# Altium PCB Pleiades_PP.PcbDoc (part 13 of 15) (continued)
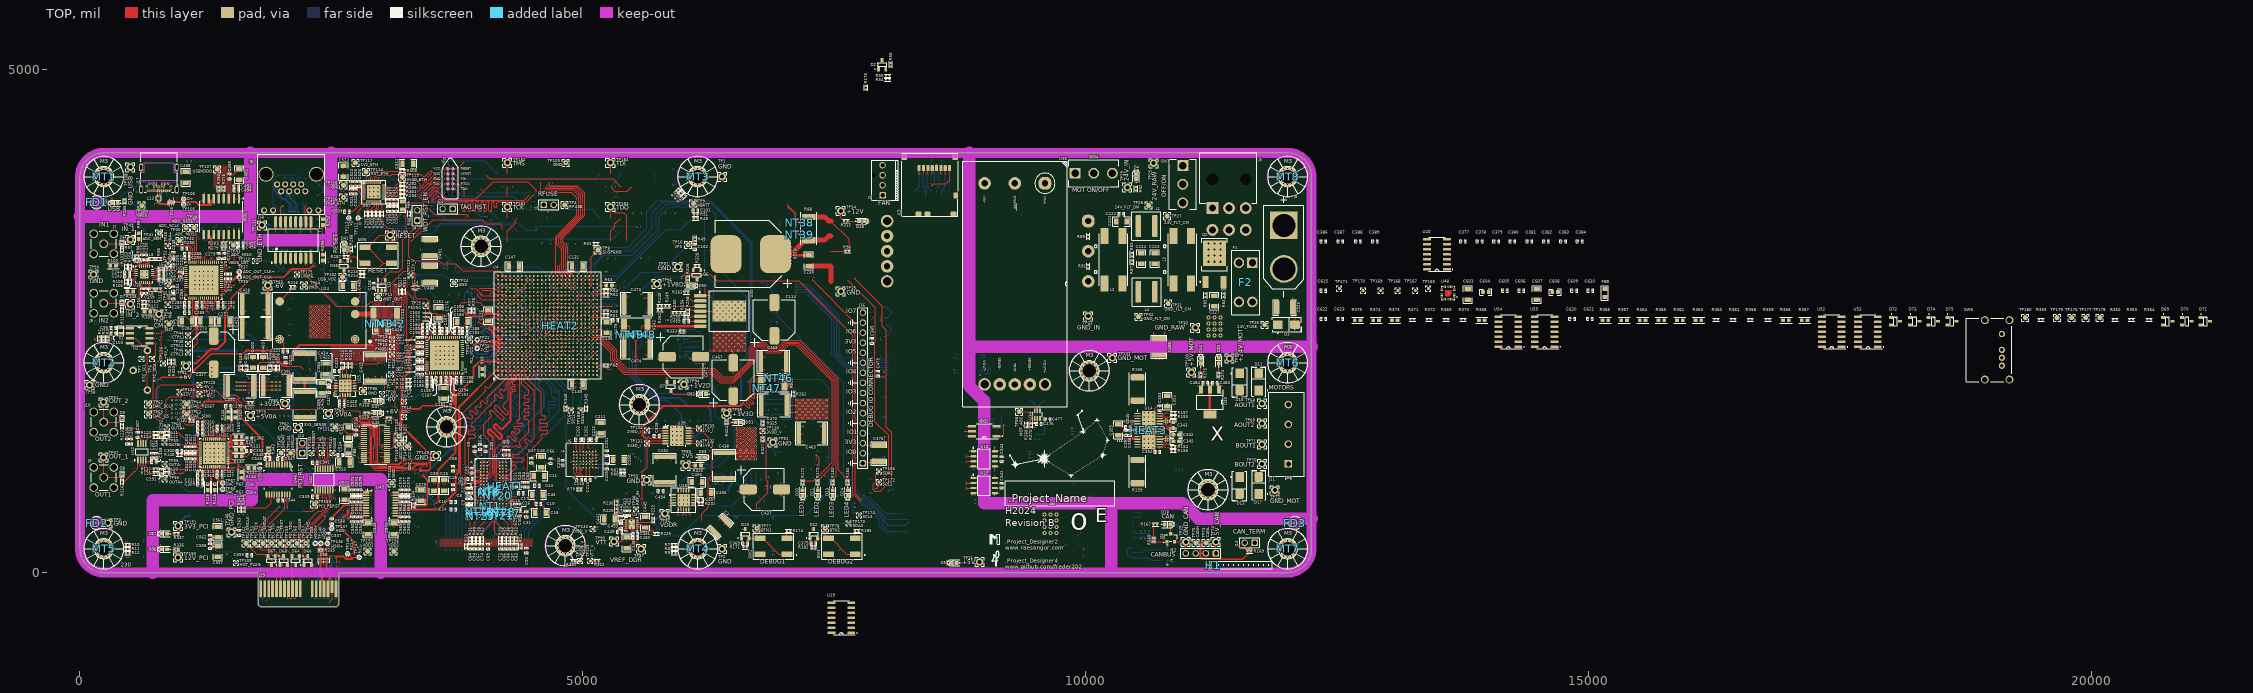
[diagram p0: TOP view]
## Nets (pads, with @x,y where several pads share a name; then routed paths per layer and width w, separated by ;. In a path a pad name is that pad's centre, name@x,y a point inside that pad or via, vN(x,y) a via of type N, cw(c..) or ccw(c..) an arc to the next point about the centre after c; other vN are vias at no path point) (continued)
PROM_D2: U4.AF17 U6.E5 | length 2898.2
  TOP w5.95: U6.E5@5035,1169.49 v1(5050.75,1185.24)
  TOP w8.89: U4.AF17@5141.73,2594.49 v1(5161.42,2614.17)
  IN2 w3.68: v1(5050.75,1185.24) 5050.75,1283.41 5080.91,1313.58 5080.91,1465 5080.91,1475.91 5155,1550 5155,1930 5145,1940 5145,2035 5161.42,2051.42 5161.42,2159.7 5161.42,2161.54 ccw(c5153.58,2161.54) 5153.58,2169.38 5140.72,2169.38 cw(c5140.72,2177.22) 5140.72,2185.06 5157.74,2185.06 ccw(c5157.74,2192.9) 5157.74,2200.73 5140.72,2200.73 cw(c5140.72,2208.57) 5140.72,2216.41 5157.74,2216.41 ccw(c5157.74,2224.25) 5157.74,2232.09 5108.03,2232.09 cw(c5108.03,2239.93) 5108.03,2247.76 5157.74,2247.76 ccw(c5157.74,2255.6) 5157.74,2263.44 5107.35,2263.44 cw(c5107.35,2271.28) 5107.35,2279.12 5157.74,2279.12 ccw(c5157.74,2286.96) 5157.74,2294.79 5140.72,2294.79 cw(c5140.72,2302.63) 5140.72,2310.47 5157.74,2310.47 ccw(c5157.74,2318.31) 5157.74,2326.15 5074.1,2326.15 cw(c5074.1,2333.99) 5074.1,2341.82 5157.74,2341.82 ccw(c5157.74,2349.66) 5157.74,2357.5 5140.44,2357.5 cw(c5140.44,2365.34) 5140.44,2373.18 5157.74,2373.18 ccw(c5157.74,2381.02) 5157.74,2388.85 5074.1,2388.85 cw(c5074.1,2396.69) 5074.1,2404.53 5157.74,2404.53 ccw(c5157.74,2412.37) 5157.74,2420.21 5140.72,2420.21 cw(c5140.72,2428.04) 5140.72,2435.88 5157.74,2435.88 ccw(c5157.74,2443.72) 5157.74,2451.56 5140.72,2451.56 cw(c5140.72,2459.4) 5140.72,2467.24 5157.74,2467.24 ccw(c5157.74,2475.07) 5157.74,2482.91 5140.72,2482.91 cw(c5140.72,2490.75) 5140.72,2498.59 5157.74,2498.59 ccw(c5157.74,2506.43) 5157.74,2514.27 5074.1,2514.27 cw(c5074.1,2522.1) 5074.1,2529.94 5157.74,2529.94 ccw(c5157.74,2537.78) 5157.74,2545.62 5074.1,2545.62 cw(c5074.1,2553.46) 5074.1,2561.3 5157.74,2561.3 ccw(c5157.74,2569.13) 5157.74,2576.97 5150.42,2576.97 cw(c5150.42,2584.81) 5150.42,2592.65 5153.58,2592.65 ccw(c5153.58,2600.49) 5161.42,2600.49 5161.42,2611.72 v1(5161.42,2614.17)
PROM_D3: U4.AD10 U6.D5 | length 2899.4
  TOP w5.95: U6.D5@5003.5,1169.49 v1(5019.25,1153.74)
  TOP w8.89: v1(5043.31,2299.21) U4.AD10@5062.99,2318.9
  IN2 w3.68: v1(5019.25,1153.74) 4995.57,1130.06 4899.94,1130.06 4855,1175 4855,1625 4868.47,1638.47 4870,1640 4870,1671.67 ccw(c4862.16,1671.67) 4862.16,1679.5 4845.65,1679.5 cw(c4845.65,1687.34) 4845.65,1695.18 4867.16,1695.18 ccw(c4867.16,1703.02) 4867.16,1710.86 4845.65,1710.86 cw(c4845.65,1718.69) 4845.65,1726.53 4867.16,1726.53 ccw(c4867.16,1734.37) 4867.16,1742.21 4845.65,1742.21 cw(c4845.65,1750.05) 4845.65,1757.89 4867.16,1757.89 ccw(c4867.16,1765.72) 4867.16,1773.56 4845.65,1773.56 cw(c4845.65,1781.4) 4845.65,1789.24 4862.16,1789.24 ccw(c4862.16,1797.08) 4870,1797.08 4870,1806.41 4878.73,1815.14 4893.51,1829.92 4897.65,1834.06 ccw(c4892.11,1839.6) 4892.11,1847.44 4863.94,1847.44 cw(c4863.94,1855.28) 4863.94,1863.11 4912.84,1863.11 ccw(c4912.84,1870.95) 4912.84,1878.79 4863.94,1878.79 cw(c4863.94,1886.63) 4863.94,1894.47 4934.76,1894.47 ccw(c4934.76,1902.31) 4934.76,1910.14 4863.94,1910.14 cw(c4863.94,1917.98) 4863.94,1925.82 4934.76,1925.82 ccw(c4934.76,1933.66) 4934.76,1941.5 4863.94,1941.5 cw(c4863.94,1949.34) 4863.94,1957.17 4934.76,1957.17 ccw(c4934.76,1965.01) 4934.76,1972.85 4904.5,1972.85 cw(c4904.5,1980.69) 4904.5,1988.53 4906.52,1988.53 ccw(c4906.52,1996.37) 4906.52,2004.2 4865.13,2004.2 cw(c4865.13,2012.04) 4865.13,2019.88 4934.76,2019.88 ccw(c4934.76,2027.72) 4934.76,2035.56 4863.94,2035.56 cw(c4863.94,2043.4) 4863.94,2051.23 4934.76,2051.23 ccw(c4934.76,2059.07) 4934.76,2066.91 4904.5,2066.91 cw(c4904.5,2074.75) 4904.5,2082.59 4934.76,2082.59 ccw(c4934.76,2090.43) 4934.76,2098.26 4905.84,2098.26 cw(c4905.84,2106.1) 4905.84,2113.94 4917.84,2113.94 ccw(c4917.84,2121.78) 4917.84,2129.62 cw(c4917.84,2137.46) 4910,2137.46 4910,2160 4910,2165.91 4911.53,2167.44 4912.83,2168.74 ccw(c4907.29,2174.28) 4912.83,2179.82 4895.64,2197.02 cw(c4901.18,2202.57) 4895.64,2208.11 cw(c4901.18,2202.57) 4906.72,2208.11 4937.1,2177.73 ccw(c4942.64,2183.27) 4948.19,2177.73 ccw(c4942.64,2183.27) 4948.19,2188.81 4934.07,2202.93 cw(c4939.61,2208.47) 4934.07,2214.02 cw(c4939.61,2208.47) 4945.15,2214.02 4961.69,2197.48 ccw(c4967.23,2203.03) 4972.77,2197.48 ccw(c4967.23,2203.03) 4972.77,2208.57 4956.31,2225.03 cw(c4961.85,2230.57) 4956.31,2236.11 cw(c4961.85,2230.57) 4967.4,2236.11 4968.26,2235.25 ccw(c4973.8,2240.79) 4979.34,2235.25 5029.55,2285.45 v1(5043.31,2299.21)
PROM_D4: U4.AF10 U6.C5 | length 2898.2
  TOP w5.95: U6.C5@4972.01,1169.49 v1(4987.76,1153.74)
  TOP w8.89: v1(5122.05,2299.21) U4.AF10@5141.73,2318.9
  IN2 w3.68: v1(4987.76,1153.74) 4970.92,1136.9 4913.1,1136.9 4887.44,1162.56 4875.75,1174.25 4875.75,1176.16 cw(c4883.59,1176.16) 4883.59,1184 4896.75,1184 ccw(c4896.75,1191.83) 4896.75,1199.67 4883.59,1199.67 cw(c4883.59,1207.51) 4875.75,1207.51 4875.75,1379.06 4902.34,1405.65 4902.34,1411.31 ccw(c4894.5,1411.31) 4894.5,1419.15 4870.18,1419.15 cw(c4870.18,1426.98) 4870.18,1434.82 4894.5,1434.82 ccw(c4894.5,1442.66) 4894.5,1450.5 4870.18,1450.5 cw(c4870.18,1458.34) 4870.18,1466.18 4905.06,1466.18 ccw(c4905.06,1474.01) 4905.06,1481.85 4870.18,1481.85 cw(c4870.18,1489.69) 4870.18,1497.53 4934.5,1497.53 ccw(c4934.5,1505.37) 4934.5,1513.21 4893.68,1513.21 cw(c4893.68,1521.04) 4893.68,1528.88 4934.5,1528.88 ccw(c4934.5,1536.72) 4934.5,1544.56 4893.68,1544.56 cw(c4893.68,1552.4) 4893.68,1560.24 4934.5,1560.24 ccw(c4934.5,1568.07) 4934.5,1575.91 4870.18,1575.91 cw(c4870.18,1583.75) 4870.18,1591.59 4925.09,1591.59 ccw(c4925.09,1599.43) 4925.09,1607.26 4870.22,1607.26 cw(c4870.22,1615.1) 4870.22,1622.94 4934.5,1622.94 ccw(c4934.5,1630.78) 4934.5,1638.62 4903.68,1638.62 cw(c4903.68,1646.46) 4903.68,1654.29 4925.09,1654.29 ccw(c4925.09,1662.13) 4925.09,1669.97 4884.52,1669.97 cw(c4884.52,1677.81) 4884.52,1685.65 4925.09,1685.65 ccw(c4925.09,1693.49) 4925.09,1701.32 4889.52,1701.32 cw(c4889.52,1709.16) 4889.52,1717 4925.09,1717 ccw(c4925.09,1724.84) 4925.09,1732.68 4889.52,1732.68 cw(c4889.52,1740.52) 4889.52,1748.35 4922.09,1748.35 ccw(c4922.09,1756.19) 4922.09,1764.03 4894.5,1764.03 cw(c4894.5,1771.87) 4894.5,1779.71 ccw(c4894.5,1787.55) 4902.34,1787.55 4902.34,1804.52 4917.82,1820 4976.09,1878.27 4976.09,1885.02 4976.09,1886.86 ccw(c4968.26,1886.86) 4968.26,1894.7 4959.51,1894.7 cw(c4959.51,1902.53) 4959.51,1910.37 4972.12,1910.37 ccw(c4972.12,1918.21) 4972.12,1926.05 4959.51,1926.05 cw(c4959.51,1933.89) 4959.51,1941.72 4984.81,1941.72 ccw(c4984.81,1949.56) 4984.81,1957.4 4959.51,1957.4 cw(c4959.51,1965.24) 4959.51,1973.08 4985.26,1973.08 ccw(c4985.26,1980.92) 4985.26,1988.75 4983.23,1988.75 cw(c4983.23,1996.59) 4983.23,2004.43 5000.49,2004.43 ccw(c5000.49,2012.27) 5000.49,2020.11 4959.51,2020.11 cw(c4959.51,2027.95) 4959.51,2035.78 4989.6,2035.78 ccw(c4989.6,2043.62) 4989.6,2051.46 4983.93,2051.46 cw(c4983.93,2059.3) 4976.09,2059.3 4976.09,2177.07 4984.27,2185.25 5098.23,2299.21 v1(5122.05,2299.21)
PROM_D5: U4.AE7 U6.B5 | length 2899.4
  TOP w5.95: v1(4924.76,1153.74) U6.B5@4940.51,1169.49
  TOP w8.89: v1(5082.68,2181.1) U4.AE7@5102.36,2200.79
  IN2 w3.68: v1(4924.76,1153.74) 4911.26,1167.24 4911.26,1198.27 4925.85,1212.87 4925.85,1430.85 5086.29,1591.29 5093.52,1598.52 5093.52,1600.97 ccw(c5085.68,1600.97) 5085.68,1608.8 5044.86,1608.8 cw(c5044.86,1616.64) 5044.86,1624.48 5099.51,1624.48 ccw(c5099.51,1632.32) 5099.51,1640.16 5076.18,1640.16 cw(c5076.18,1648) 5076.18,1655.83 5099.51,1655.83 ccw(c5099.51,1663.67) 5099.51,1671.51 5044.86,1671.51 cw(c5044.86,1679.35) 5044.86,1687.19 5099.51,1687.19 ccw(c5099.51,1695.03) 5099.51,1702.86 5044.86,1702.86 cw(c5044.86,1710.7) 5044.86,1718.54 5099.51,1718.54 ccw(c5099.51,1726.38) 5099.51,1734.22 5044.86,1734.22 cw(c5044.86,1742.06) 5044.86,1749.89 5099.51,1749.89 ccw(c5099.51,1757.73) 5099.51,1765.57 5044.86,1765.57 cw(c5044.86,1773.41) 5044.86,1781.25 5099.51,1781.25 ccw(c5099.51,1789.09) 5099.51,1796.92 5044.86,1796.92 cw(c5044.86,1804.76) 5044.86,1812.6 5099.51,1812.6 ccw(c5099.51,1820.44) 5099.51,1828.28 5044.86,1828.28 cw(c5044.86,1836.12) 5044.86,1843.95 5099.51,1843.95 ccw(c5099.51,1851.79) 5099.51,1859.63 5044.86,1859.63 cw(c5044.86,1867.47) 5044.86,1875.31 5099.51,1875.31 ccw(c5099.51,1883.15) 5099.51,1890.98 5044.86,1890.98 cw(c5044.86,1898.82) 5044.86,1906.66 5099.51,1906.66 ccw(c5099.51,1914.5) 5099.51,1922.34 5044.86,1922.34 cw(c5044.86,1930.17) 5044.86,1938.01 5099.51,1938.01 ccw(c5099.51,1945.85) 5099.51,1953.69 5044.86,1953.69 cw(c5044.86,1961.53) 5044.86,1969.37 5099.51,1969.37 ccw(c5099.51,1977.2) 5099.51,1985.04 5044.86,1985.04 cw(c5044.86,1992.88) 5044.86,2000.72 5099.51,2000.72 ccw(c5099.51,2008.56) 5099.51,2016.4 5061.98,2016.4 cw(c5061.98,2024.23) 5061.98,2032.07 5099.51,2032.07 ccw(c5099.51,2039.91) 5099.51,2047.75 5068.34,2047.75 cw(c5068.34,2055.59) 5068.34,2063.43 5085.68,2063.43 ccw(c5085.68,2071.26) 5093.52,2071.26 5093.52,2153.75 5082.68,2164.59 5082.68,2168.68 v1(5082.68,2181.1)
PROM_D6: U4.AF7 U6.A5 | length 2898.2
  TOP w5.95: U6.A5@4909.02,1169.49 v1(4924.76,1185.24)
  TOP w8.89: v1(5122.05,2181.1) U4.AF7@5141.73,2200.79
  IN2 w3.68: v1(4924.76,1185.24) 4933.28,1193.75 4943.05,1193.75 4955,1205.7 4955,1362.42 4955,1370.57 cw(c4967.98,1367.33) 4967.06,1380.68 ccw(c4972.6,1386.22) 4978.14,1380.68 ccw(c4972.6,1386.22) 4978.14,1391.77 4942.72,1427.19 cw(c4948.26,1432.73) 4942.72,1438.27 cw(c4948.26,1432.73) 4953.8,1438.28 4989.23,1402.85 ccw(c4994.77,1408.39) 5000.31,1402.85 ccw(c4994.77,1408.39) 5000.31,1413.94 4964.89,1449.36 cw(c4970.43,1454.9) 4964.89,1460.45 cw(c4970.43,1454.9) 4975.97,1460.45 5011.4,1425.02 ccw(c5016.94,1430.56) 5022.48,1425.02 ccw(c5016.94,1430.56) 5022.48,1436.11 4987.06,1471.53 cw(c4992.6,1477.07) 4987.06,1482.62 cw(c4992.6,1477.07) 4998.14,1482.62 5033.57,1447.19 ccw(c5039.11,1452.73) 5044.65,1447.19 ccw(c5039.11,1452.73) 5044.65,1458.28 5009.23,1493.7 cw(c5014.77,1499.24) 5009.23,1504.79 cw(c5014.77,1499.24) 5020.31,1504.79 5055.74,1469.36 ccw(c5061.28,1474.9) 5066.82,1469.36 ccw(c5061.28,1474.9) 5066.82,1480.45 5031.4,1515.87 cw(c5036.94,1521.41) 5031.4,1526.96 cw(c5036.94,1521.41) 5042.48,1526.96 5076.96,1492.48 ccw(c5082.5,1498.02) 5088.04,1492.48 ccw(c5082.5,1498.02) 5088.04,1503.57 5053.57,1538.04 cw(c5059.11,1543.58) 5053.57,1549.13 cw(c5059.11,1543.58) 5064.65,1549.13 5098.01,1515.77 ccw(c5103.55,1521.31) 5109.09,1515.77 ccw(c5103.55,1521.31) 5109.09,1526.85 5077.97,1557.97 cw(c5083.52,1563.52) 5077.97,1569.06 cw(c5083.52,1563.52) 5089.06,1569.06 5094.6,1563.52 ccw(c5100.14,1569.06) 5105.69,1563.52 ccw(c5100.14,1569.06) 5105.69,1574.6 cw(c5111.23,1580.14) 5105.69,1585.69 5120.83,1600.83 5122.05,1602.05 5122.05,1618.34 cw(c5129.89,1618.34) 5129.89,1626.18 5140.49,1626.18 ccw(c5140.49,1634.02) 5140.49,1641.86 5121.2,1641.86 cw(c5121.2,1649.69) 5121.2,1657.53 5140.49,1657.53 ccw(c5140.49,1665.37) 5140.49,1673.21 5121.2,1673.21 cw(c5121.2,1681.05) 5121.2,1688.89 5140.49,1688.89 ccw(c5140.49,1696.72) 5140.49,1704.56 5121.2,1704.56 cw(c5121.2,1712.4) 5121.2,1720.24 5140.49,1720.24 ccw(c5140.49,1728.08) 5140.49,1735.92 5121.2,1735.92 cw(c5121.2,1743.75) 5121.2,1751.59 5140.49,1751.59 ccw(c5140.49,1759.43) 5140.49,1767.27 5121.2,1767.27 cw(c5121.2,1775.11) 5121.2,1782.95 5140.49,1782.95 ccw(c5140.49,1790.78) 5140.49,1798.62 5121.2,1798.62 cw(c5121.2,1806.46) 5121.2,1814.3 5140.49,1814.3 ccw(c5140.49,1822.14) 5140.49,1829.97 5121.2,1829.97 cw(c5121.2,1837.81) 5121.2,1845.65 5140.49,1845.65 ccw(c5140.49,1853.49) 5140.49,1861.33 5121.2,1861.33 cw(c5121.2,1869.17) 5121.2,1877 5140.49,1877 ccw(c5140.49,1884.84) 5140.49,1892.68 5121.2,1892.68 cw(c5121.2,1900.52) 5121.2,1908.36 5140.49,1908.36 ccw(c5140.49,1916.2) 5140.49,1924.03 5121.2,1924.03 cw(c5121.2,1931.87) 5121.2,1939.71 5130.49,1939.71 ccw(c5130.49,1947.55) 5130.49,1955.39 5121.2,1955.39 cw(c5121.2,1963.23) 5121.2,1971.06 5130.49,1971.06 ccw(c5130.49,1978.9) 5130.49,1986.74 5121.2,1986.74 cw(c5121.2,1994.58) 5121.2,2002.42 5130.49,2002.42 ccw(c5130.49,2010.26) 5130.49,2018.09 5121.2,2018.09 cw(c5121.2,2025.93) 5121.2,2033.77 5130.49,2033.77 ccw(c5130.49,2041.61) 5130.49,2049.45 5118.34,2049.45 cw(c5118.34,2057.29) 5118.34,2065.12 5146.9,2065.12 ccw(c5146.9,2072.96) 5146.9,2080.8 5108.03,2080.8 cw(c5108.03,2088.64) 5108.03,2096.48 5146.9,2096.48 ccw(c5146.9,2104.32) 5146.9,2112.15 5108.03,2112.15 cw(c5108.03,2119.99) 5108.03,2127.83 5146.9,2127.83 ccw(c5146.9,2135.67) 5146.9,2143.51 5108.03,2143.51 cw(c5108.03,2151.35) 5108.03,2159.18 5114.21,2159.18 ccw(c5114.21,2167.02) 5122.05,2167.02 v1(5122.05,2181.1)
PROM_D7: U4.AE9 U6.A6 | length 2898.2
  TOP w5.95: U6.A6@4909.02,1200.98 v1(4909.02,1223.26)
  TOP w8.89: v1(5082.68,2259.84) U4.AE9@5102.36,2279.53
  IN2 w3.68: v1(4909.02,1223.26) 4909.02,1234.6 4909.02,1236.44 ccw(c4901.18,1236.44) 4901.18,1244.27 4890.27,1244.27 cw(c4890.27,1252.11) 4890.27,1259.95 4911.34,1259.95 ccw(c4911.34,1267.79) 4911.34,1275.63 4890.27,1275.63 cw(c4890.27,1283.47) 4890.27,1291.3 4911.34,1291.3 ccw(c4911.34,1299.14) 4911.34,1306.98 4890.27,1306.98 cw(c4890.27,1314.82) 4890.27,1322.66 4911.34,1322.66 ccw(c4911.34,1330.5) 4911.34,1338.33 4890.27,1338.33 cw(c4890.27,1346.17) 4890.27,1354.01 4911.34,1354.01 ccw(c4911.34,1361.85) 4911.34,1369.69 4899.34,1369.69 cw(c4899.34,1377.53) 4899.34,1385.36 4901.18,1385.36 ccw(c4901.18,1393.2) 4909.02,1393.2 4909.02,1411.23 4909.02,1444.02 4965.84,1500.84 4965.84,1571.17 4973.27,1578.6 4977.41,1582.74 ccw(c4971.87,1588.28) 4971.87,1596.12 4947.44,1596.12 cw(c4947.44,1603.96) 4947.44,1611.79 5022.51,1611.79 ccw(c5022.51,1619.63) 5022.51,1627.47 4998.68,1627.47 cw(c4998.68,1635.31) 4998.68,1643.15 5038.82,1643.15 ccw(c5038.82,1650.99) 5038.82,1658.82 4947.44,1658.82 cw(c4947.44,1666.66) 4947.44,1674.5 5022.51,1674.5 ccw(c5022.51,1682.34) 5022.51,1690.18 4947.44,1690.18 cw(c4947.44,1698.01) 4947.44,1705.85 5022.51,1705.85 ccw(c5022.51,1713.69) 5022.51,1721.53 4947.44,1721.53 cw(c4947.44,1729.37) 4947.44,1737.21 5022.51,1737.21 ccw(c5022.51,1745.04) 5022.51,1752.88 4947.44,1752.88 cw(c4947.44,1760.72) 4947.44,1768.56 5022.51,1768.56 ccw(c5022.51,1776.4) 5022.51,1784.24 4947.44,1784.24 cw(c4947.44,1792.07) 4947.44,1799.91 5022.51,1799.91 ccw(c5022.51,1807.75) 5022.51,1815.59 4947.44,1815.59 cw(c4947.44,1823.43) 4947.44,1831.27 5022.51,1831.27 ccw(c5022.51,1839.1) 5022.51,1846.94 4983.93,1846.94 cw(c4983.93,1854.78) 4983.93,1862.62 5022.51,1862.62 ccw(c5022.51,1870.46) 5022.51,1878.3 4990.61,1878.3 cw(c4990.61,1886.13) 4990.61,1893.97 5022.51,1893.97 ccw(c5022.51,1901.81) 5022.51,1909.65 4994.47,1909.65 cw(c4994.47,1917.49) 4994.47,1925.33 5015,1925.33 ccw(c5015,1933.16) 5015,1941 5007.16,1941 cw(c5007.16,1948.84) 5007.16,1956.68 ccw(c5007.16,1964.52) 5015,1964.52 5015,2045 5054.76,2084.76 5060,2090 5060,2237.17 v1(5082.68,2259.84)
PROM_TCK: R368.2 R373.2 R374.2 R375.2 TP181.1 U4.E21 U6.H3 | length 4243.8
  TOP w5.95: U6.H3@5129.49,1106.5 v1(5145.24,1122.24)
  TOP w8.89: U4.E21@4314.96,2751.97 v1(4334.65,2732.28)
  TOP w12: 4250,3525 TP181.1@4250,3635
  IN1 w5.95: v1(5145.24,1122.24) 5447.24,1122.24 v1(5500,1175)
  IN1 w8.89: v1(4334.65,2732.28) 4362.28,2732.28 4454.47,2824.47 5345.53,2824.47 v1(5360,2810)
  IN2 w8.89: 4250,3525 4315,3460 4315,2772.28 4334.65,2752.64 v1(4334.65,2732.28) ; v1(5360,2810) 5360,2752.5 5640.95,2471.55 5640.95,1315.95 v1(5500,1175)
PROM_TDO: TP183.1 U6.E6 U55.5 U55.9 U55.12 | length 3681.6
  TOP w5.95: v1(5019.25,1185.24) U6.E6@5035,1200.98
  TOP w8.89: TP183.1@5275,3635 5275,3626.74 5323.19,3578.56 5406.45,3578.56 5435,3550 v1(5435,3295)
  TOP w12: 5275,3525 TP183.1@5275,3626.74
  IN1 w5.95: v1(5019.25,1185.24) 5033.81,1185.24 5053.69,1205.12 5175.12,1205.12 5186.72,1216.72 5528.28,1216.72 5577.5,1167.5 v1(5577.5,1097.5)
  IN2 w8.89: v1(5435,3295) 5500,3230 5500,2890 5800,2590 5800,1320 v1(5577.5,1097.5)
PROM_TMS: R356.2 R362.2 R364.2 R366.2 TP182.1 U4.C23 U6.E2 | length 5081.2
  TOP w5.95: U6.E2@5035,1075 v1(5050.75,1090.75)
  TOP w8.89: U4.C23@4236.22,2830.71 v1(4255.91,2850.39)
  TOP w12: 4250,3965 TP182.1@4250,4075
  IN1 w5.95: v1(5050.75,1090.75) 5050.75,1116.17 5076.34,1141.76 5209.82,1141.76 5263.06,1195 5505,1195 5525,1175 v1(5525,1150)
  IN1 w8.89: v1(4255.91,2850.39) 4273.96,2868.45 5350.57,2868.45 5381.55,2868.45 v1(5410,2840)
  IN2 w8.89: 4250,3965 4180,3895 4125,3895 4073.45,3843.45 4073.45,3519.84 4055,3501.39 4055,3400 4236.55,3218.45 4236.55,2869.74 v1(4255.91,2850.39) ; v1(5410,2840) 5529.34,2720.66 5538.35,2720.66 5680,2579.01 5680,1305 v1(5525,1150)
RCA_13: C348.1 R164.1 U14.6 | length 116.6
  TOP w10: v1(10476,1440) 10476,1440.11 10489.28,1453.39 U14.6@10514.76,1453.39
  BOT w10: v1(10476,1440) 10476.38,1440.38 10482.88,1440.38 R164.1@10500,1457.5 C348.1@10541,1457.5
RCB_13: C347.1 R163.1 U14.9 | length 86.5
  TOP w10: v1(10481.74,1385.91) 10482.12,1385.53 10482.12,1384.15 10488.87,1377.41 U14.9@10501.09,1377.41
  BOT w10: v1(10481.74,1385.91) 10482.28,1385.91 10486.31,1381.88 10496.08,1381.88 10500.46,1377.5 R163.1@10501,1377.5 10501.09,1377.41 10540.91,1377.41 C347.1@10541,1377.32
RD_17_+: T1.6 U37.7 | length 1156.9
  TOP w10: T1.6@2195,3125.96 v1(2195,3207.8) ; v1(2799.04,3732.54) 2799.58,3732.54 2805.58,3738.54 2815.31,3738.54 2818.22,3735.63 U37.7@2825,3735.63
  IN2 w3.09: v1(2195,3207.8) 2229.29,3207.8 2240.45,3196.64 2240.45,3190.31 2249.86,3180.91 2560.91,3180.91 2657.14,3277.14 2657.14,3608.81 2785.4,3737.07 2790.48,3737.07 2795,3732.54 v1(2799.04,3732.54)
RD_17_-: T1.8 U37.6 | length 1142.8
  TOP w10: T1.8@2295,3125.96 v1(2295,3207.8) ; v1(2792.04,3755.5) 2792.58,3755.5 2794.54,3753.54 2816.45,3753.54 2818.22,3755.31 U37.6@2825,3755.31
  IN2 w3.09: v1(2295,3207.8) 2285.65,3198.45 2251.36,3198.45 2249.55,3196.64 2249.55,3194.08 2253.62,3190 2557.14,3190 2648.05,3280.91 2648.05,3612.58 2781.63,3746.16 2784.65,3746.16 2792.04,3753.56 v1(2792.04,3755.5)
RDCT_17: C506.1 T1.7 | length 146.2
  TOP w10: v1(2245,3044.13) T1.7@2245,3125.96
  BOT w10: v1(2245,3044.13) C506.1@2245,3108.46
REF_CLK_N: TP67.1 U4.R1 U11.7 | length 5112.2
  TOP w5.95: U11.7@1344.84,1053.19 1344.84,962.13 1416.98,890 v1(1420,890)
  TOP w8.89: U4.R1@4708.66,1964.57 v1(4728.35,1944.88)
  IN1 w3.09: v1(1420,890) 1381.23,851.23 1370.95,851.23 1368.97,849.24 1260.76,849.24 1241.76,868.24 1241.76,886.76 1272.14,917.14 1272.14,954.28 1308.41,990.55 1568.41,990.55 1629.68,1051.81 2524.59,1051.81 2530.82,1058.05 2874.07,1058.05 2885.36,1046.76 3326.84,1046.76 3640,1359.92 3640,1830 3735,1925 3735,1967.22 3817.78,2050 3922.86,2050 4107.7,2234.83 4451.98,2234.83 4453.36,2233.45 4463.45,2233.45 4479.07,2249.07 4479.07,2274.07 4484.57,2279.57 4580.43,2279.57 4624.07,2235.93 4624.07,2060.75 4642.02,2042.8 4645.35,2042.8 4660.15,2027.99 4660.15,2023.67 4689.02,1994.8 4693.35,1994.8 4704.66,1983.48 4704.66,1969.17 4720.2,1953.63 4726.53,1953.63 4728.35,1951.81 v1(4728.35,1944.88)
REF_CLK_P: TP66.1 U4.R2 U11.6 | length 5220.1
  TOP w5.95: U11.6@1325.16,1053.19 1325.16,962.25 1420,867.4 v1(1420,830)
  TOP w8.89: U4.R2@4708.66,2003.94 4727.75,1984.85 4727.75,1972.06 v1(4728.35,1971.46)
  IN1 w3.09: v1(1420,830) 1397.71,852.29 1395.15,852.29 1385,842.14 1374.72,842.14 1372.73,840.15 1254.85,840.15 1232.66,862.34 1232.66,890.52 1263.05,920.91 1263.05,958.05 1304.64,999.64 1564.64,999.64 1625.91,1060.91 2520.83,1060.91 2527.06,1067.14 2877.84,1067.14 2889.13,1055.85 3323.07,1055.85 3630.91,1363.68 3630.91,1833.77 3725.91,1928.77 3725.91,1970.99 3814.01,2059.09 3919.09,2059.09 4103.93,2243.93 4455.74,2243.93 4457.12,2242.55 4459.69,2242.55 4469.98,2252.84 4469.98,2277.84 4480.8,2288.67 4584.2,2288.67 4633.16,2239.7 4633.16,2064.52 4645.79,2051.89 4649.11,2051.89 4669.25,2031.76 4669.25,2027.43 4682.35,2014.33 4685.56,2011.12 4692.79,2003.89 4697.11,2003.89 4713.76,1987.25 4713.76,1972.93 4723.97,1962.72 4726.53,1962.72 4728.35,1964.53 v1(4728.35,1971.46)
REFCLK_N: U4.A4 U45.13 | length 2300.8
  TOP w4.33: v1(3545,675) 3546.47,676.47 3546.47,681.47 3570,705 3570,1025 3739.33,1194.33 3739.33,1676.45 3744.38,1681.51 3744.38,1759.38 3920,1935 3920,2041.81 3976.21,2098.02 4163.84,2098.02 4172.5,2089.36 4172.5,2085.78 4169.97,2083.24 4158.05,2083.24 U4.A4@4157.48,2082.68
  BOT w4.33: U45.13@3137.64,743.98 3159.88,743.98 3168.01,735.84 3223.11,735.84 3230.62,728.34 3313.82,728.34 3359.27,773.78 3455.16,773.78 3537.7,691.24 3537.7,681.37 3544.08,675 v1(3545,675)
REFCLK_P: U4.B4 U45.14 | length 2322.8
  TOP w4.33: v1(3521.08,677) 3522.55,678.47 3528.44,678.47 3539.13,689.16 3540.97,689.16 3560.67,708.86 3560.67,1028.86 3730,1198.19 3730,1680.31 3735.06,1685.37 3735.06,1763.25 3910.67,1938.86 3910.67,2045.67 3972.35,2107.35 4167.7,2107.35 4181.83,2093.22 4181.83,2085.78 4184.36,2083.24 4196.29,2083.24 U4.B4@4196.85,2082.68
  BOT w4.33: U45.14@3137.64,718.39 3159.88,718.39 3168.01,726.52 3219.25,726.52 3226.75,719.01 3317.69,719.01 3363.13,764.45 3451.3,764.45 3528.38,687.37 3528.38,683.38 3522.01,677 v1(3521.08,677)
RESET: TP38.1 U4.P10 U9.12 | length 4343.9
  TOP w6: TP38.1@1135,3430 1161.1,3403.9 U9.12@1161.1,3081.18
  TOP w8.89: U4.P10@4669.29,2318.9 v1(4688.98,2299.21)
  IN2 w5: v1(1160.85,3147.29) 1164.75,3143.39 1366.61,3143.39 1460.81,3049.19 1714.99,3049.19 1897.68,2866.5 2234.76,2866.5 2311.09,2790.17 2724.83,2790.17 2975,2540 4100,2540 4125,2515 4575,2515 4710,2380 4710,2320.24 v1(4688.98,2299.21)
REV_SEL0: R80.1 U4.W17 U6.G3 | length 2266.4
  TOP w5.95: v1(5082.24,1090.75) U6.G3@5097.99,1106.5
  TOP w8.89: U4.W17@4866.14,2594.49 v1(4885.83,2574.8)
  TOP w10: v1(5354.25,977.24) R80.1@5376.75,977.24
  IN1 w5.95: v1(5082.24,1090.75) 5100.75,1090.75 5114.43,1077.07 5114.43,1045.57 5182.76,977.24 v1(5354.25,977.24)
  IN2 w3.68: v1(4885.83,2574.8) 4822.64,2574.8 4790.25,2542.41 4790.25,2528.46 4810.83,2507.87 4854.33,2507.87 4868.31,2493.89 4868.31,2251.66 4840,2223.34 4840,2160 4821.05,2141.05 4821.05,1171.29 4821.06,1163.94 4871.71,1113.29 5045.14,1113.29 5067.69,1090.75 v1(5082.24,1090.75)
REV_SEL1: R81.1 U4.V16 U6.G4 | length 2160.3
  TOP w5.95: v1(5082.24,1122.24) U6.G4@5097.99,1137.99
  TOP w8.89: v1(4807.09,2535.43) U4.V16@4826.77,2555.12
  TOP w10: v1(5354.25,1017.24) R81.1@5376.75,1017.24
  IN1 w5.95: v1(5082.24,1122.24) 5119.81,1122.24 5149.34,1092.72 5181.84,1092.72 5257.31,1017.24 v1(5354.25,1017.24)
  IN2 w3.68: v1(4807.09,2535.43) 4854.57,2535.43 4875,2515 4875,2500.56 4874.99,2097.87 ; 4875,2097.86 4875,2074.98 4835.62,2035.6 4835.62,2019.13 4865,1989.75 4865,1970.92 4849.43,1955.35 4849.43,1849.26 4863.32,1835.37 4863.32,1809.17 4850.06,1795.92 4839.64,1795.92 4831.14,1787.41 4831.14,1681.33 4839.64,1672.83 4855.15,1672.83 4857.3,1670.67 4857.3,1667.63 4841.66,1651.99 4841.66,1178.9 4865,1155.56 4865,1140 4882.76,1122.24 v1(5082.24,1122.24)
RFUSE: J1.2 TP4.1 U4.AA20 | length 1166
  TOP w8.89: U4.AA20@4944.88,2712.6 4964.57,2732.28 v1(4964.57,2771.65)
  TOP w12: J1.2@4710,3655 TP4.1@4820,3655
  IN2 w8.89: J1.2@4710,3655 4840,3525 v1(4840,3275)
  BOT w8.89: v1(4840,3275) 4840,3195 4948.12,3086.88 4948.12,2843.58 4964.57,2827.14 v1(4964.57,2771.65)
RST_ETH_PHY: D46.2 U4.N19 | length 3573.2
  TOP w8.89: U4.N19@4629.92,2673.23 v1(4649.61,2692.91)
  IN1 w3.68: v1(3960,3775) 3985,3750 3995,3750 3996.84,3750 ccw(c3996.84,3759.34) 4006.18,3759.34 4006.18,3780.66 cw(c4015.52,3780.66) 4024.85,3780.66 4024.85,3736.01 ccw(c4034.19,3736.01) 4043.53,3736.01 4043.53,3780.66 cw(c4052.87,3780.66) 4062.21,3780.66 4062.21,3736.01 ccw(c4071.55,3736.01) 4080.88,3736.01 4080.88,3780.66 cw(c4090.22,3780.66) 4099.56,3780.66 4099.56,3736.01 ccw(c4108.9,3736.01) 4118.24,3736.01 4118.24,3780.66 cw(c4127.58,3780.66) 4136.91,3780.66 4136.91,3736.01 ccw(c4146.25,3736.01) 4155.59,3736.01 4155.59,3780.66 cw(c4164.93,3780.66) 4174.27,3780.66 4174.27,3736.01 ccw(c4183.6,3736.01) 4192.94,3736.01 4192.94,3780.66 cw(c4202.28,3780.66) 4211.62,3780.66 4211.62,3736.01 ccw(c4220.96,3736.01) 4230.3,3736.01 4230.3,3780.66 cw(c4239.63,3780.66) 4248.97,3780.66 4248.97,3736.01 ccw(c4258.31,3736.01) 4267.65,3736.01 4267.65,3780.66 cw(c4276.99,3780.66) 4286.33,3780.66 4286.33,3736.01 ccw(c4295.66,3736.01) 4305,3736.01 4305,3780.66 cw(c4314.34,3780.66) 4323.68,3780.66 4323.68,3739.44 ccw(c4333.02,3739.44) 4342.36,3739.44 4342.36,3759.34 cw(c4351.69,3759.34) 4361.03,3759.34 ccw(c4370.37,3759.34) 4370.37,3750 v1(4415,3750)
  IN2 w3.68: v1(3207.5,3657.5) 3335,3530 3715,3530 v1(3960,3775) ; v1(4415,3750) 4415,3260 4555,3120 4555,2772.19 4634.28,2692.91 v1(4649.61,2692.91)